# Altium PCB PCB_Rev2.PcbDoc
Units mil, origin at the board's own origin, x right, y up, seen from the top; angles counter-clockwise.
Board outline 1482.54 x 1194.03 mil, 4 copper layers (Top Layer, MidLayer 1, MidLayer 2, Bottom Layer), stack 62.449 mil thick; 55 components, 39 nets, 232 pads, 87 vias.
Unrouted connection lines stored in the file: 64.
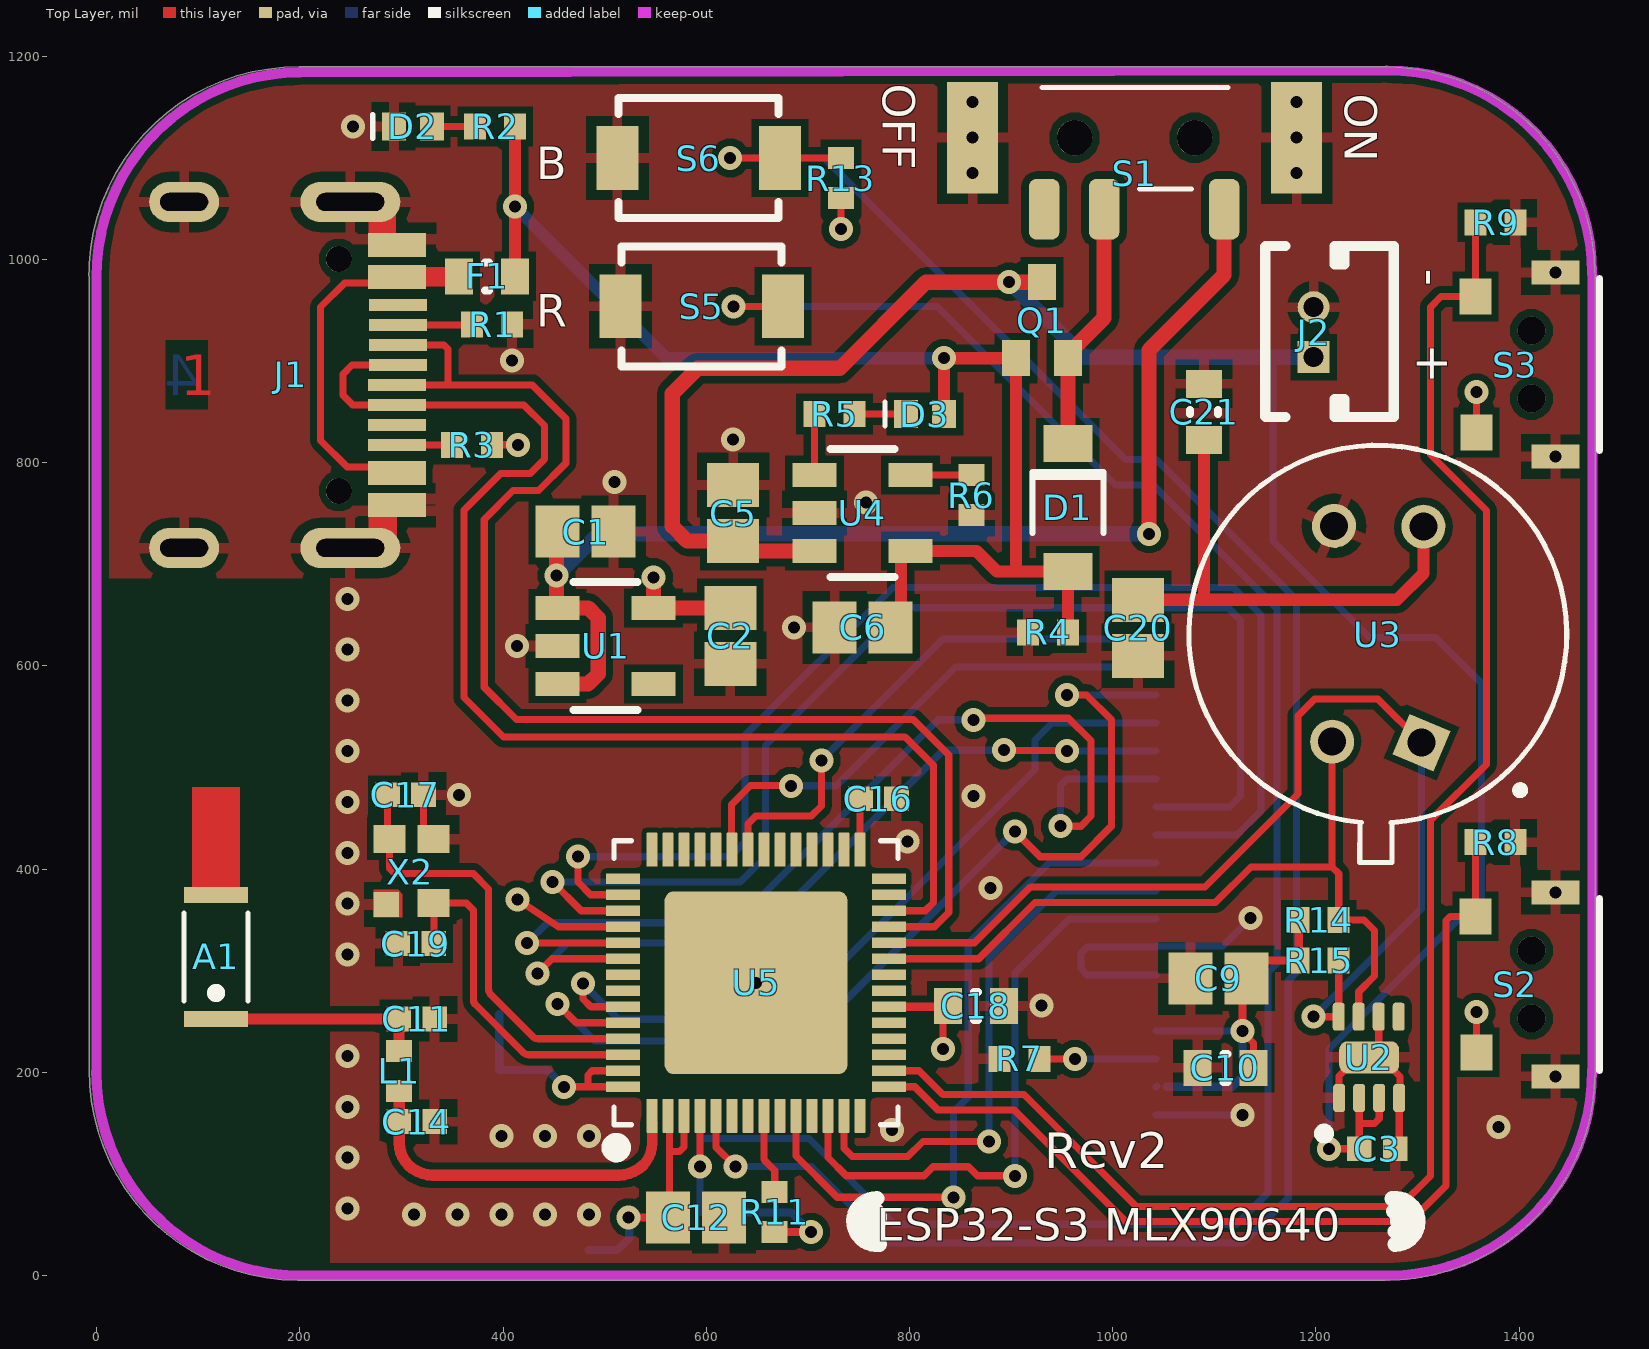
[diagram p0: Top Layer view]
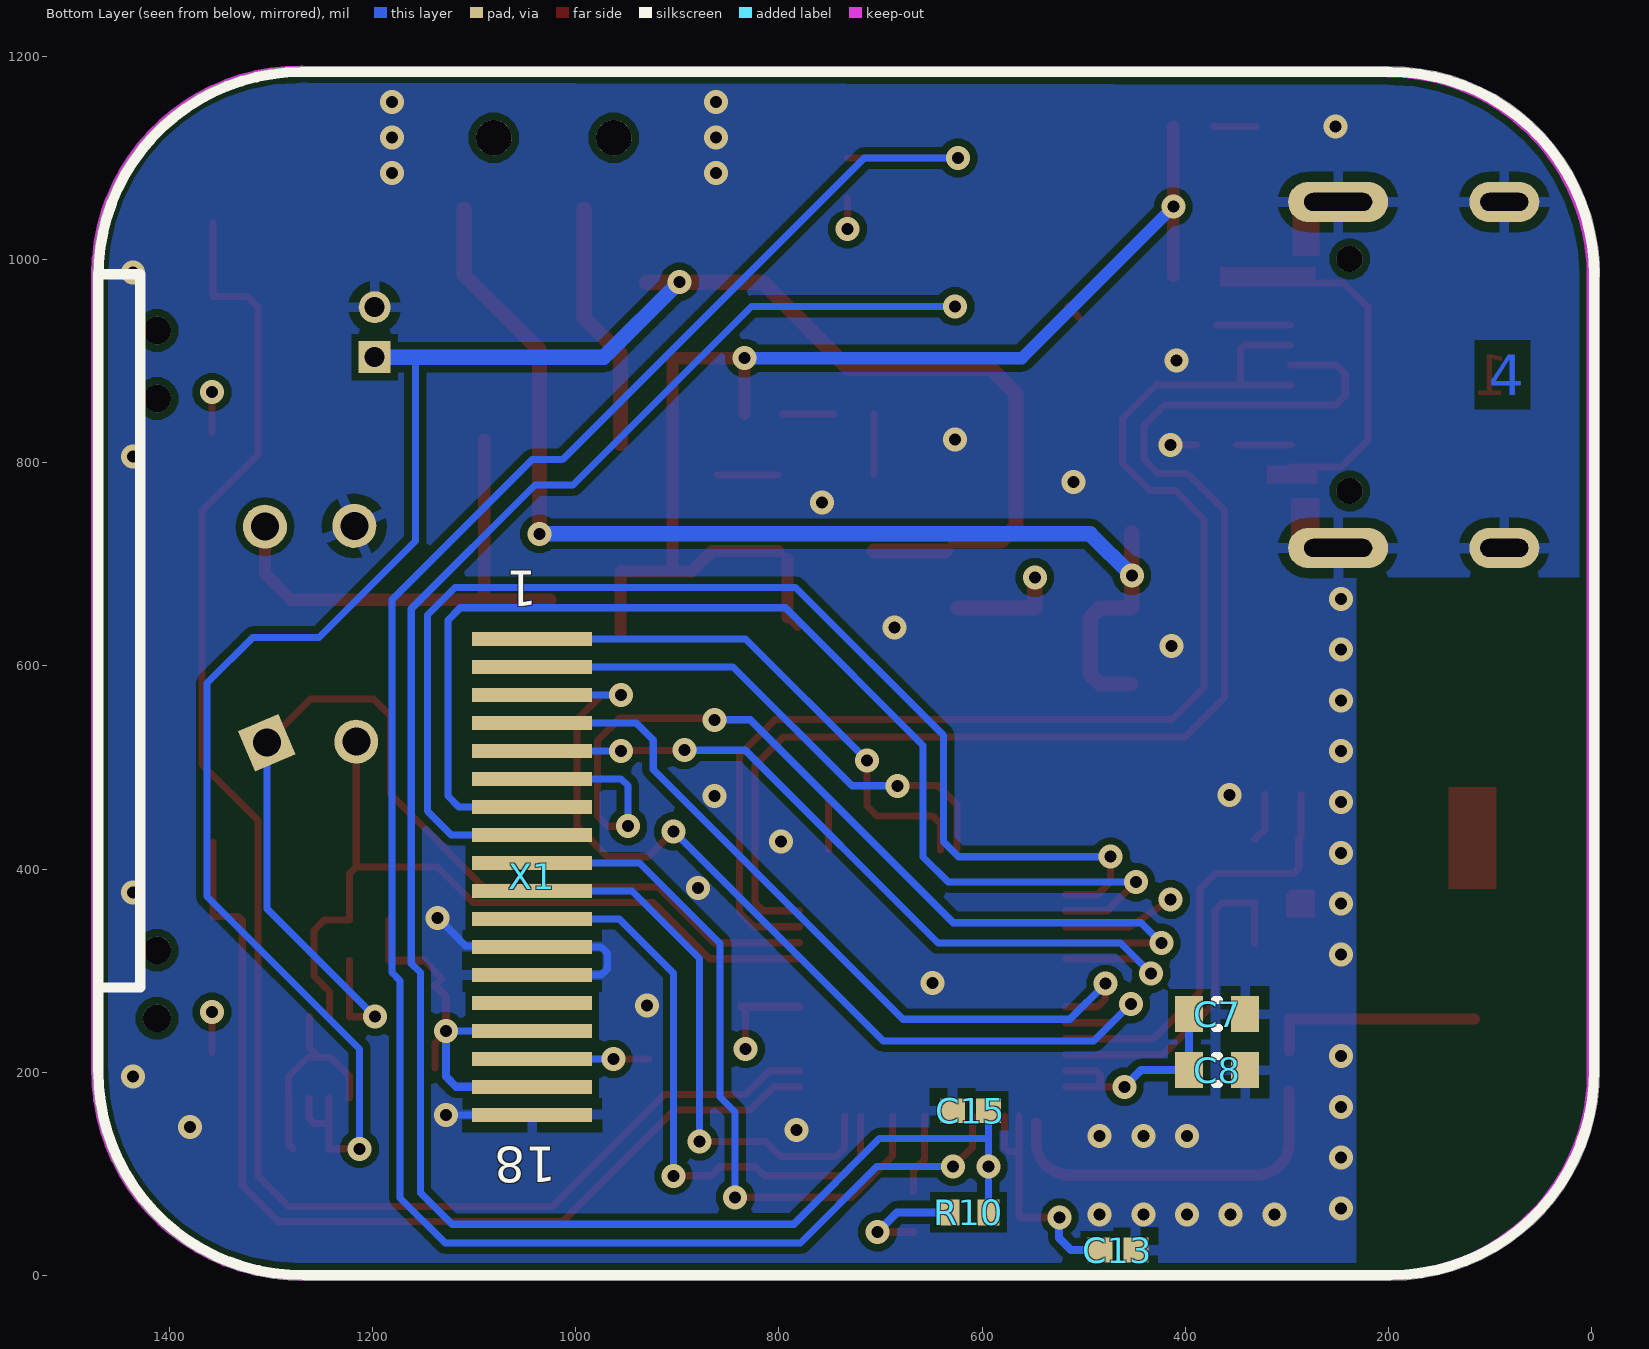
[diagram p1: Bottom Layer view, seen from below]
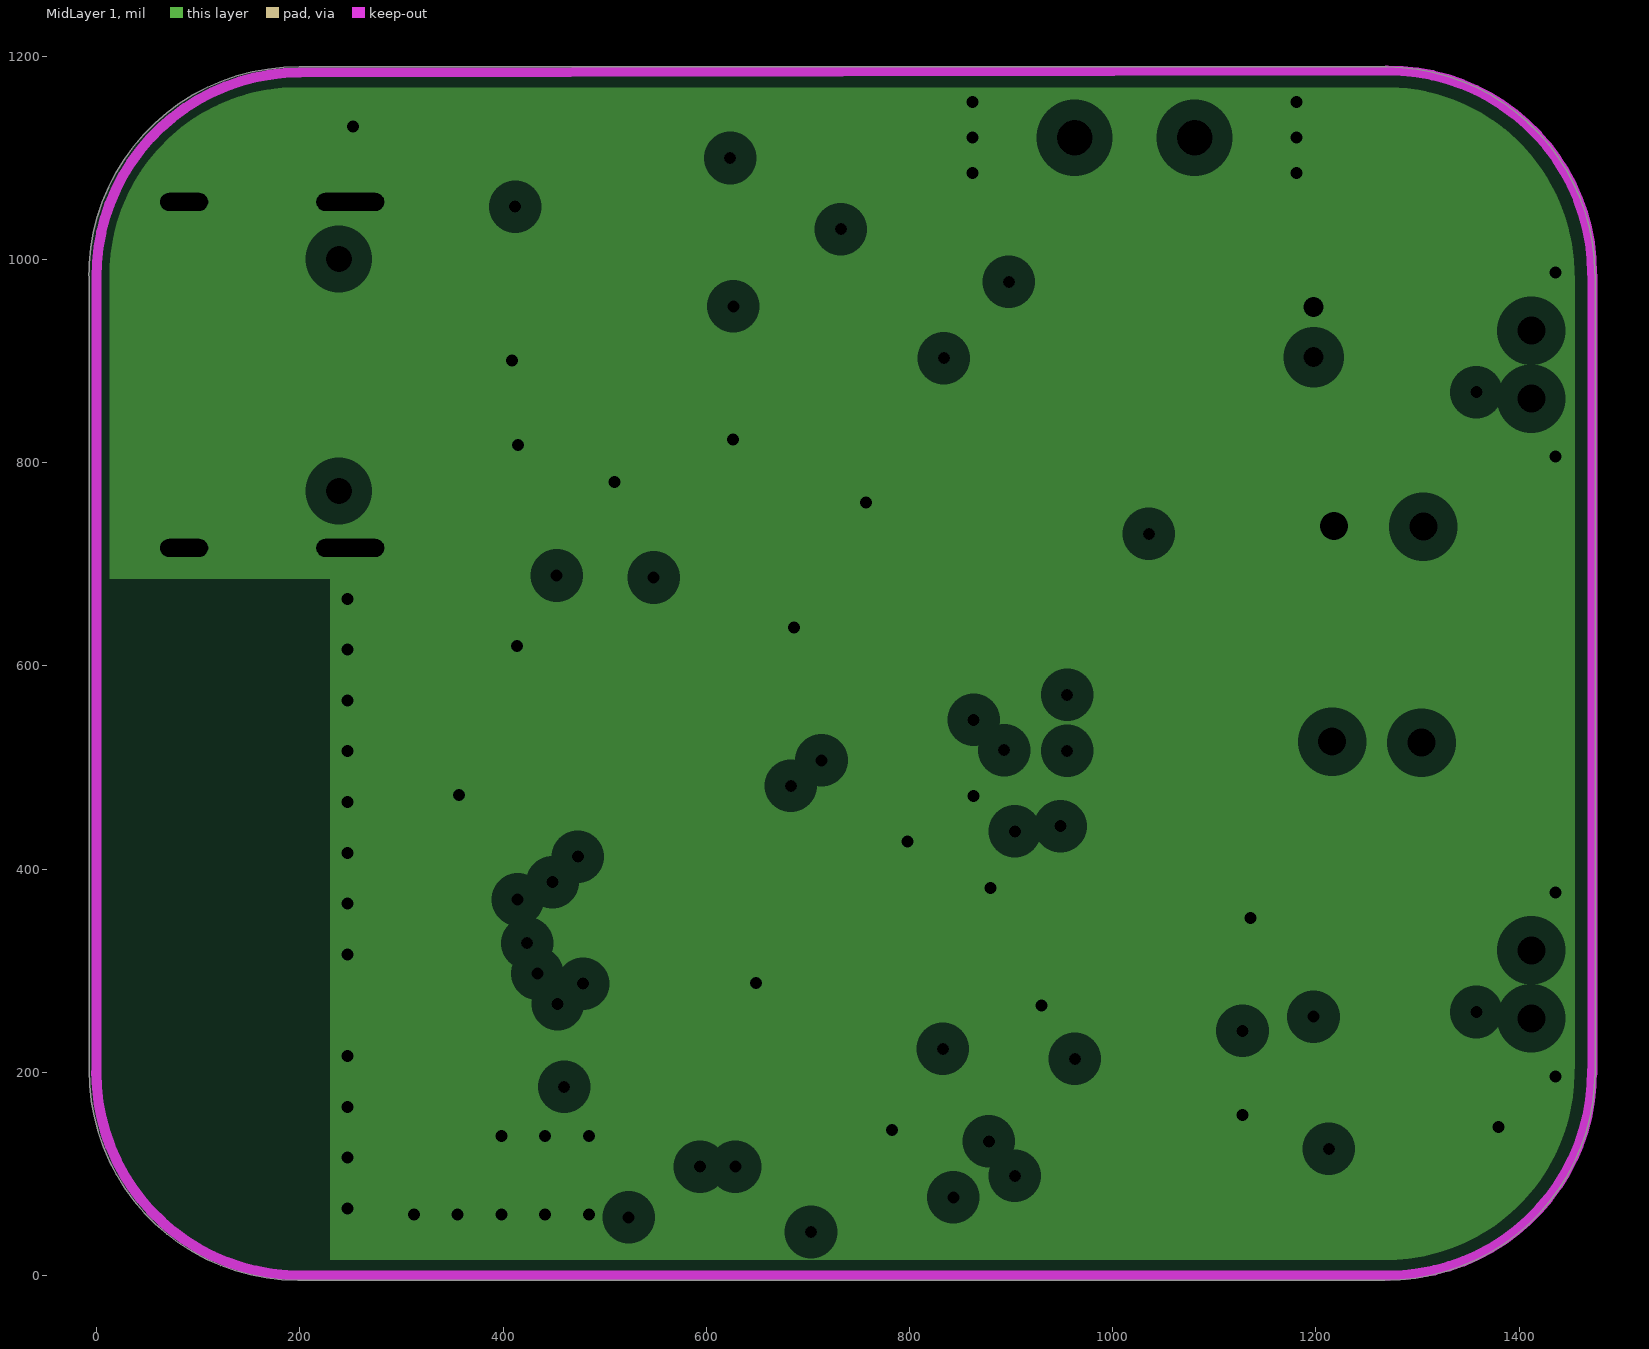
[diagram p2: MidLayer 1, clearances drawn from the general rule]
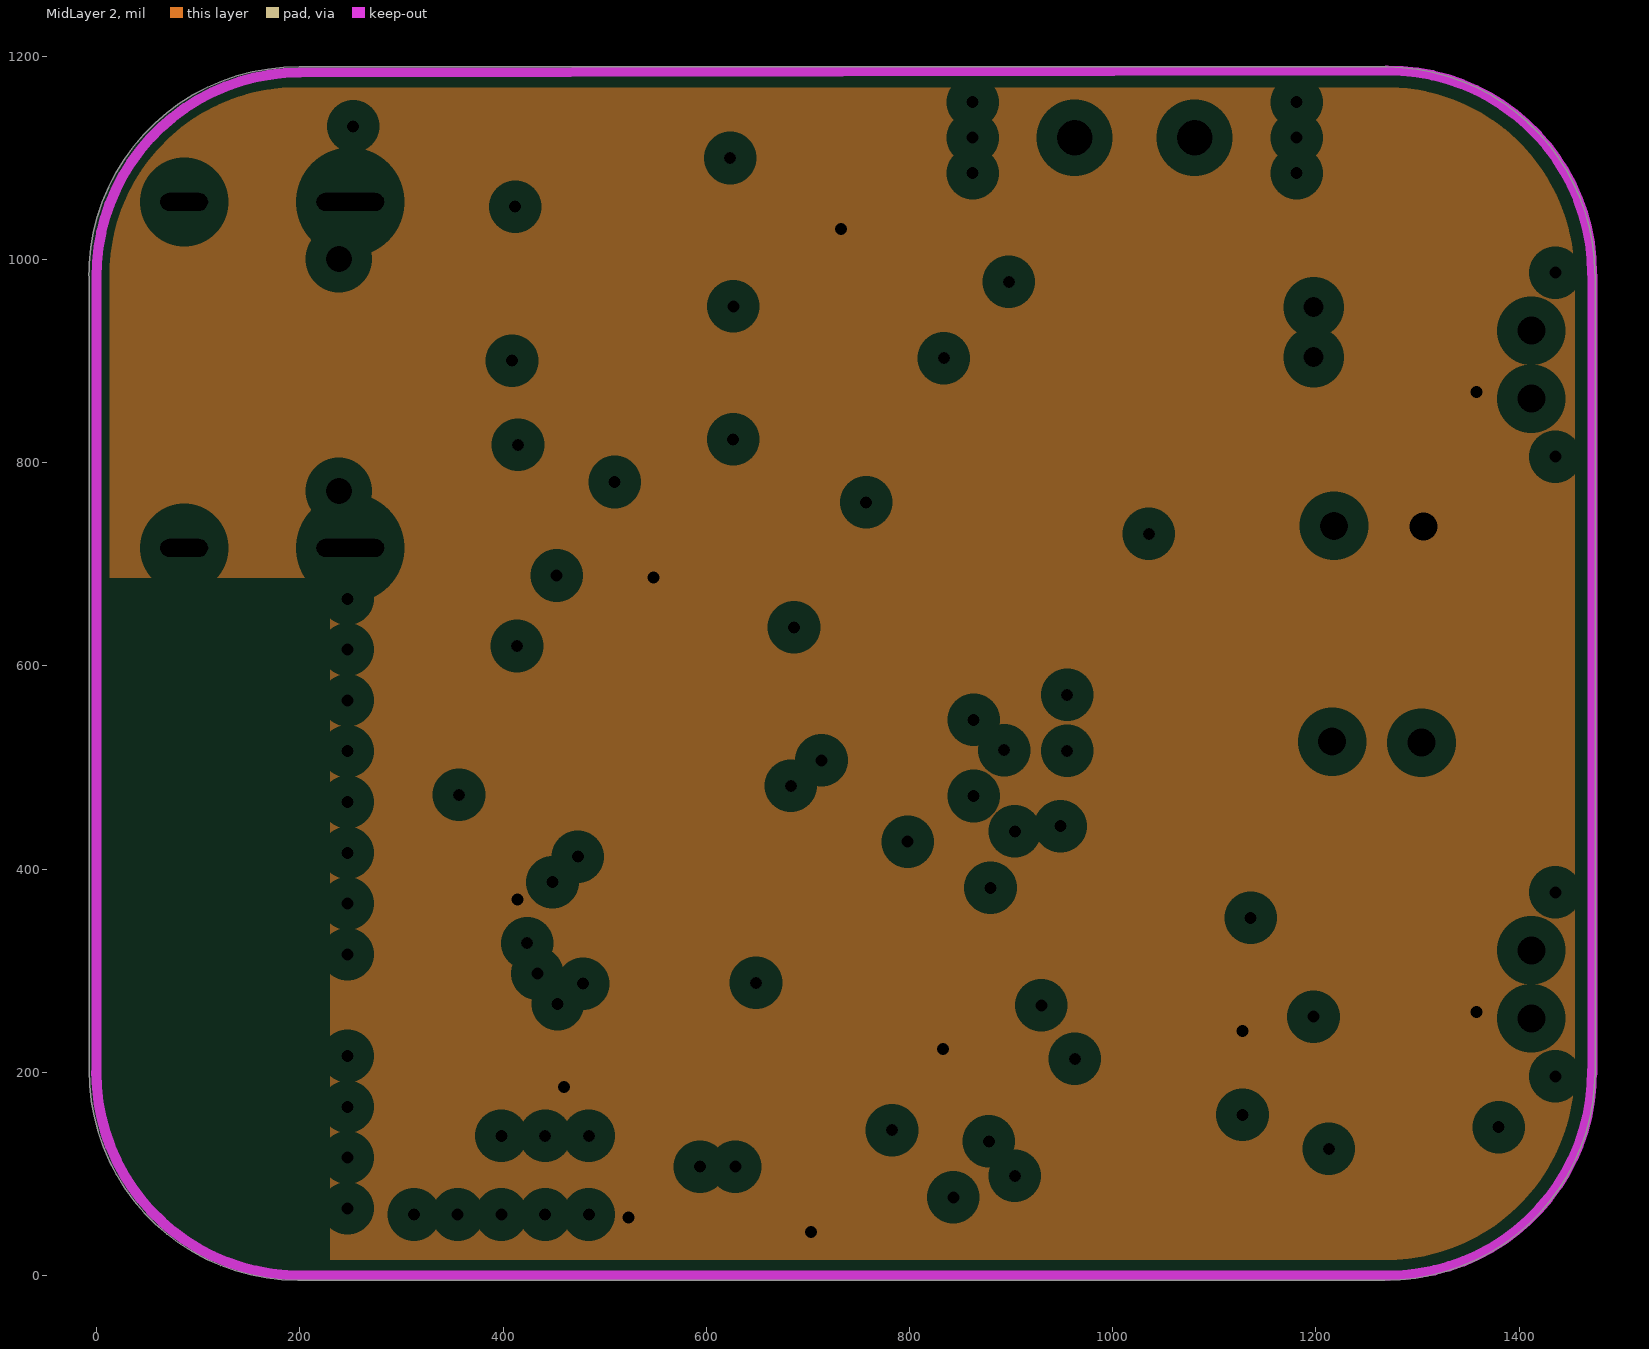
[diagram p3: MidLayer 2, clearances drawn from the general rule]
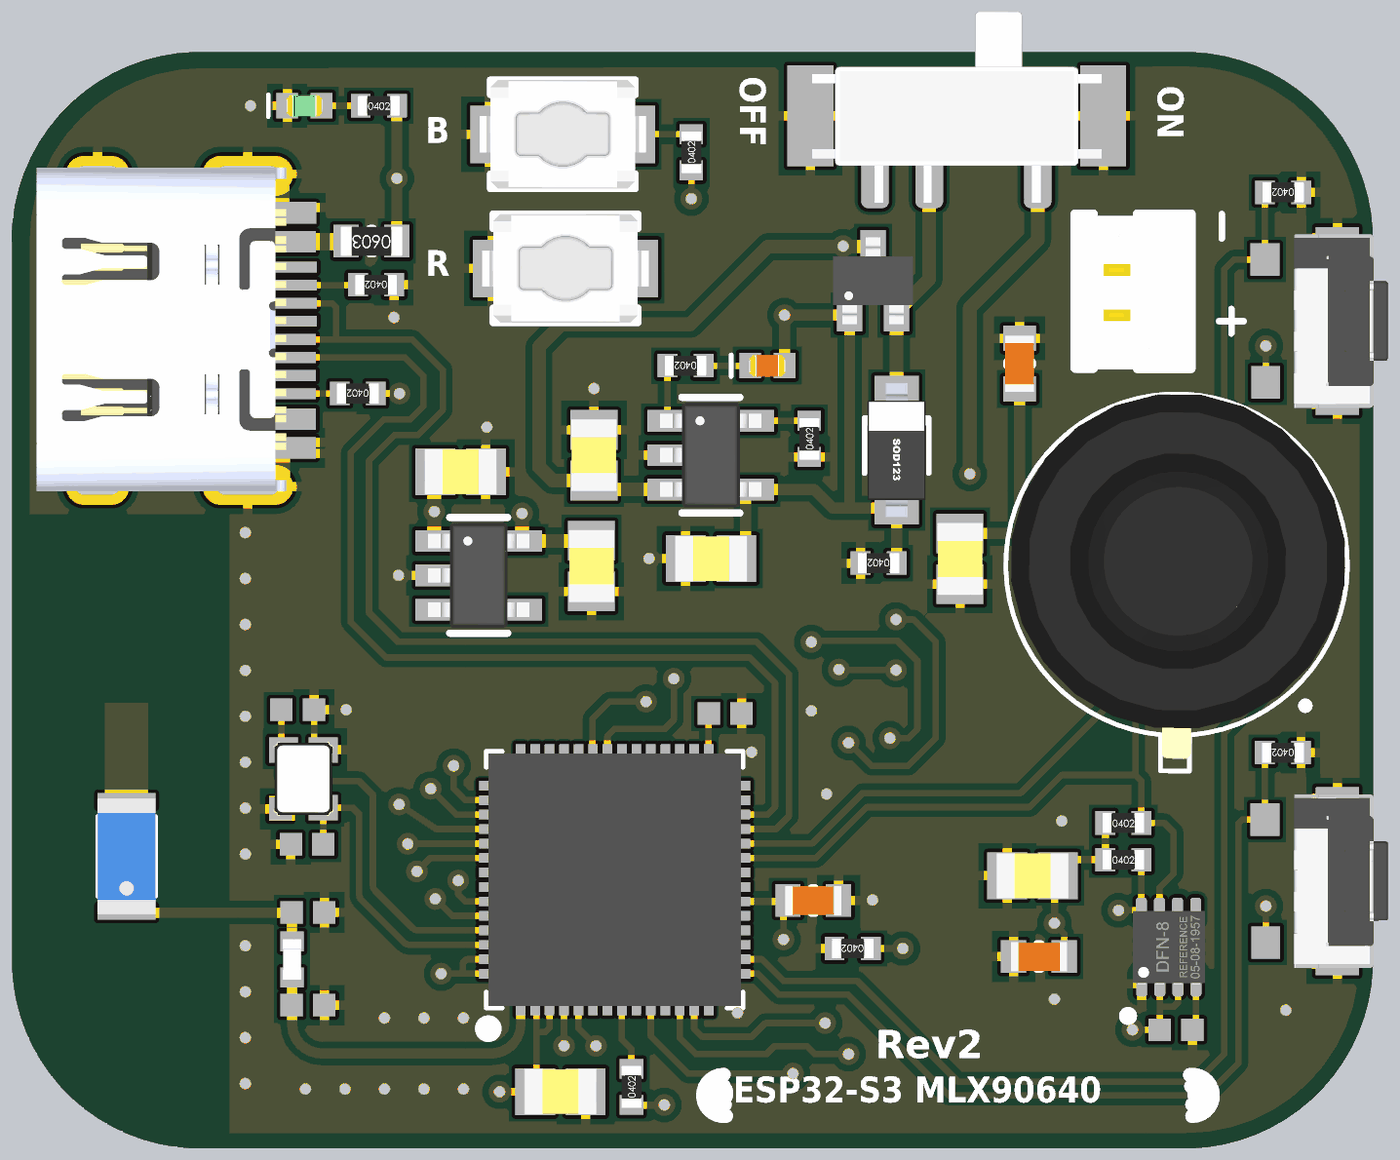
[diagram p4: 3D render of the assembled board from above, using the file's embedded part models]
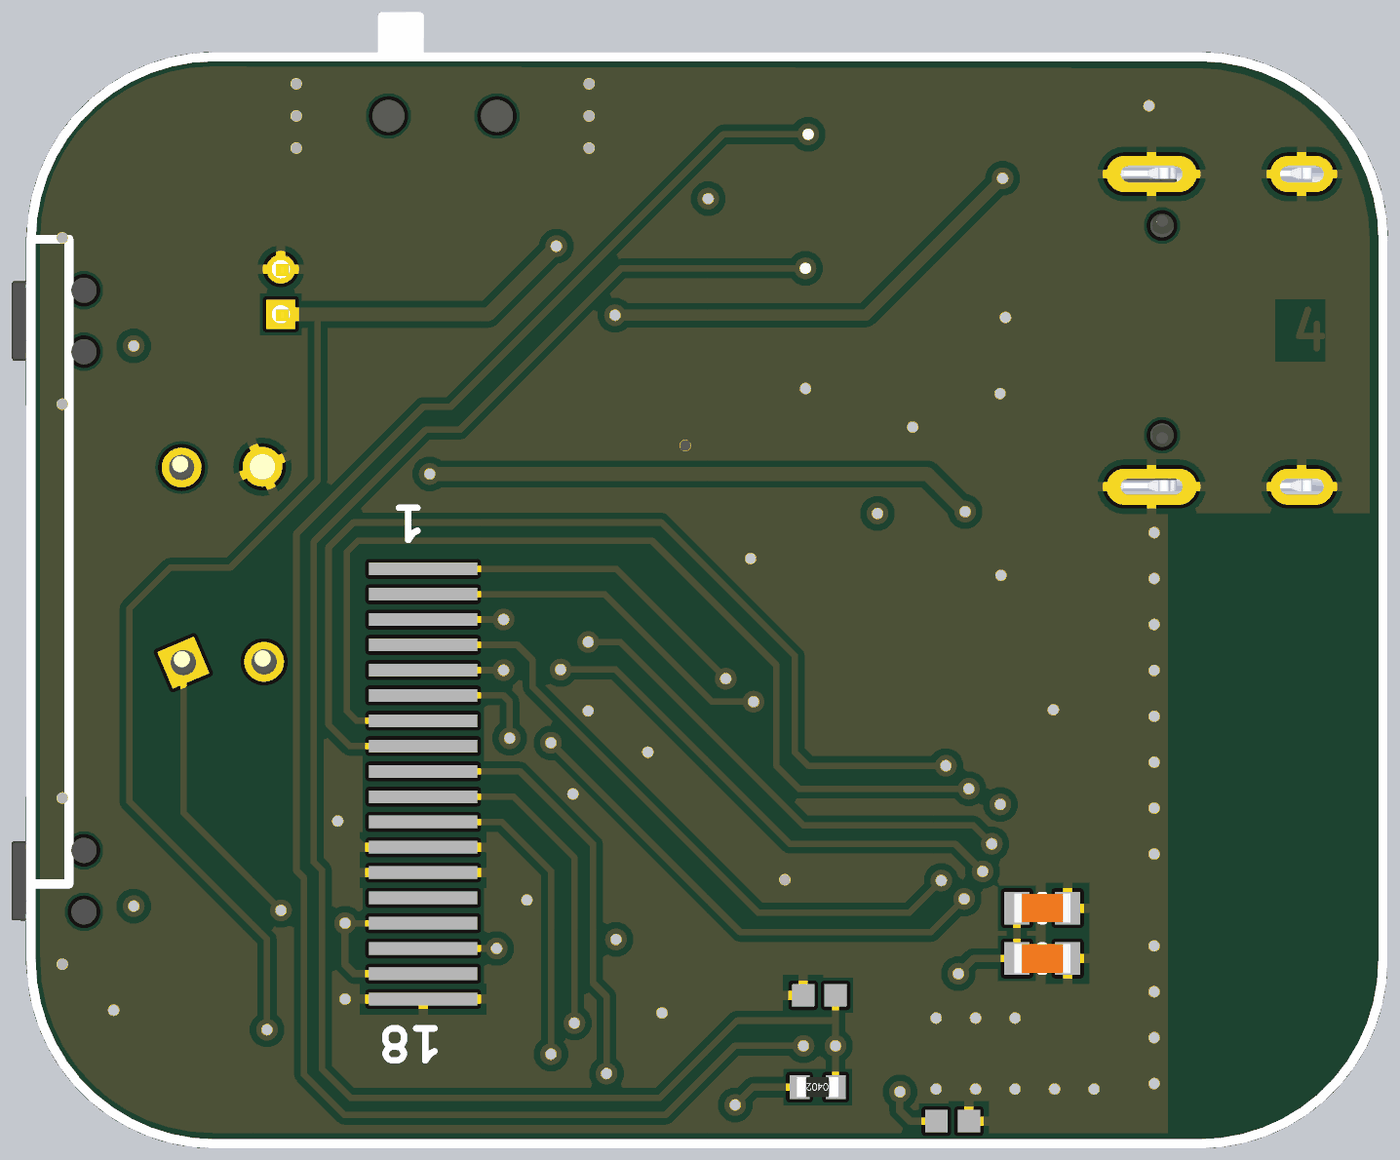
[diagram p5: 3D render of the assembled board from below, using the file's embedded part models]

## Layer stack, top to bottom
Top Solder: solder mask 1, Solder Resist, Dk 3.5
Top Layer: signal copper 1.378
Dielectric 2: prepreg 8.284, PP-006, Dk 3.61
MidLayer 1: plane copper 0.598, net GND
Dielectric 1: dielectric 41.929, FR-4, Dk 3.61
MidLayer 2: plane copper 0.598, net +3.3V
Dielectric 3: prepreg 8.284, PP-006, Dk 3.61
Bottom Layer: signal copper 1.378
Bottom Solder: solder mask 1, Solder Resist, Dk 3.5

## Board outline
197.79,-4.62 cw(c197.79,200.4) -7.22,202.53 -7.22,982.66 -7.52,984.39 cw(c197.49,984.39) -7.21,995.75 cw(c197.49,984.39) 199.62,1189.4 483.3,1189.4 483.63,1189.41 1269.7,1189.41 1269.73,1189.41 cw(c1269.7,984.39) 1474.69,987.18 1475.02,985.4 1475.02,201.42 1474.8,199.98 cw(c1269.79,200.38) 1267.66,-4.62

## Design rules (kind name [scope] priority, off if disabled: settings)
Clearance Clearance_U5 [InComponent('U5')] p1: gap=5 ignorepadtopadclearanceinfootprint=FALSE
Clearance [All] p2: gap=7 ignorepadtopadclearanceinfootprint=FALSE
HoleSize [All] p1: absolutevalues=TRUE maxlimit=1000 minlimit=1 maxpercent=80.000 minpercent=20.000
MinimumSolderMaskSliver [All] p1: minsoldermaskwidth=0.1
PlaneClearance [All] p1: clearance=20
PlaneConnect PlaneConnect_Via [All] p1: planeconnectstyle=Direct reliefexpansion=20 reliefentries=4 reliefconductorwidth=10 reliefairgap=10
PlaneConnect [All] p2: planeconnectstyle=Relief reliefexpansion=20 reliefentries=4 reliefconductorwidth=10 reliefairgap=10
PolygonConnect PolygonConnect_Via [(IsVia)] p1: connectstyle=Direct reliefconductorwidth=10 reliefentries=4 polygonreliefangle="90 Angle" airgapwidth=10
PolygonConnect [All] p2: connectstyle=Relief reliefconductorwidth=10 reliefentries=4 polygonreliefangle="90 Angle" airgapwidth=10
RoutingVias [All] p1: holewidth=11.81 width=23.62 viastyle="Through Hole" minholewidth=11.81 minwidth=23.62 maxholewidth=11.81 maxwidth=23.62
SilkToSilkClearance [All] p1: silktosilkclearance=4
SilkToSolderMaskClearance [IsPad] p1: minsilkscreentomaskgap=2 clearancetoexposedcopper=TRUE
SolderMaskExpansion [All] p1: expansion=4 istentingtop=FALSE
Width RF [InNetClass('RF')] p1: maxlimit=11.13 minlimit=11.13 preferedwidth=11.13 impedanceprofiledriven=TRUE impedanceprofileid={B83983C7-2F2D-4C3A-BB29-3BA22838E7DA} impedanceprofilevalue=50.000000 minimp=50.000000 maximp=50.000000 favimp=50.000000
Width [All] p2: maxlimit=45 minlimit=7 preferedwidth=7
24 further rules are at their usual default settings.

## Classes and differential pairs
net class RF: NetA1_1 NetC14_1
